# KiCad board P3.kicad_pcb (continued)
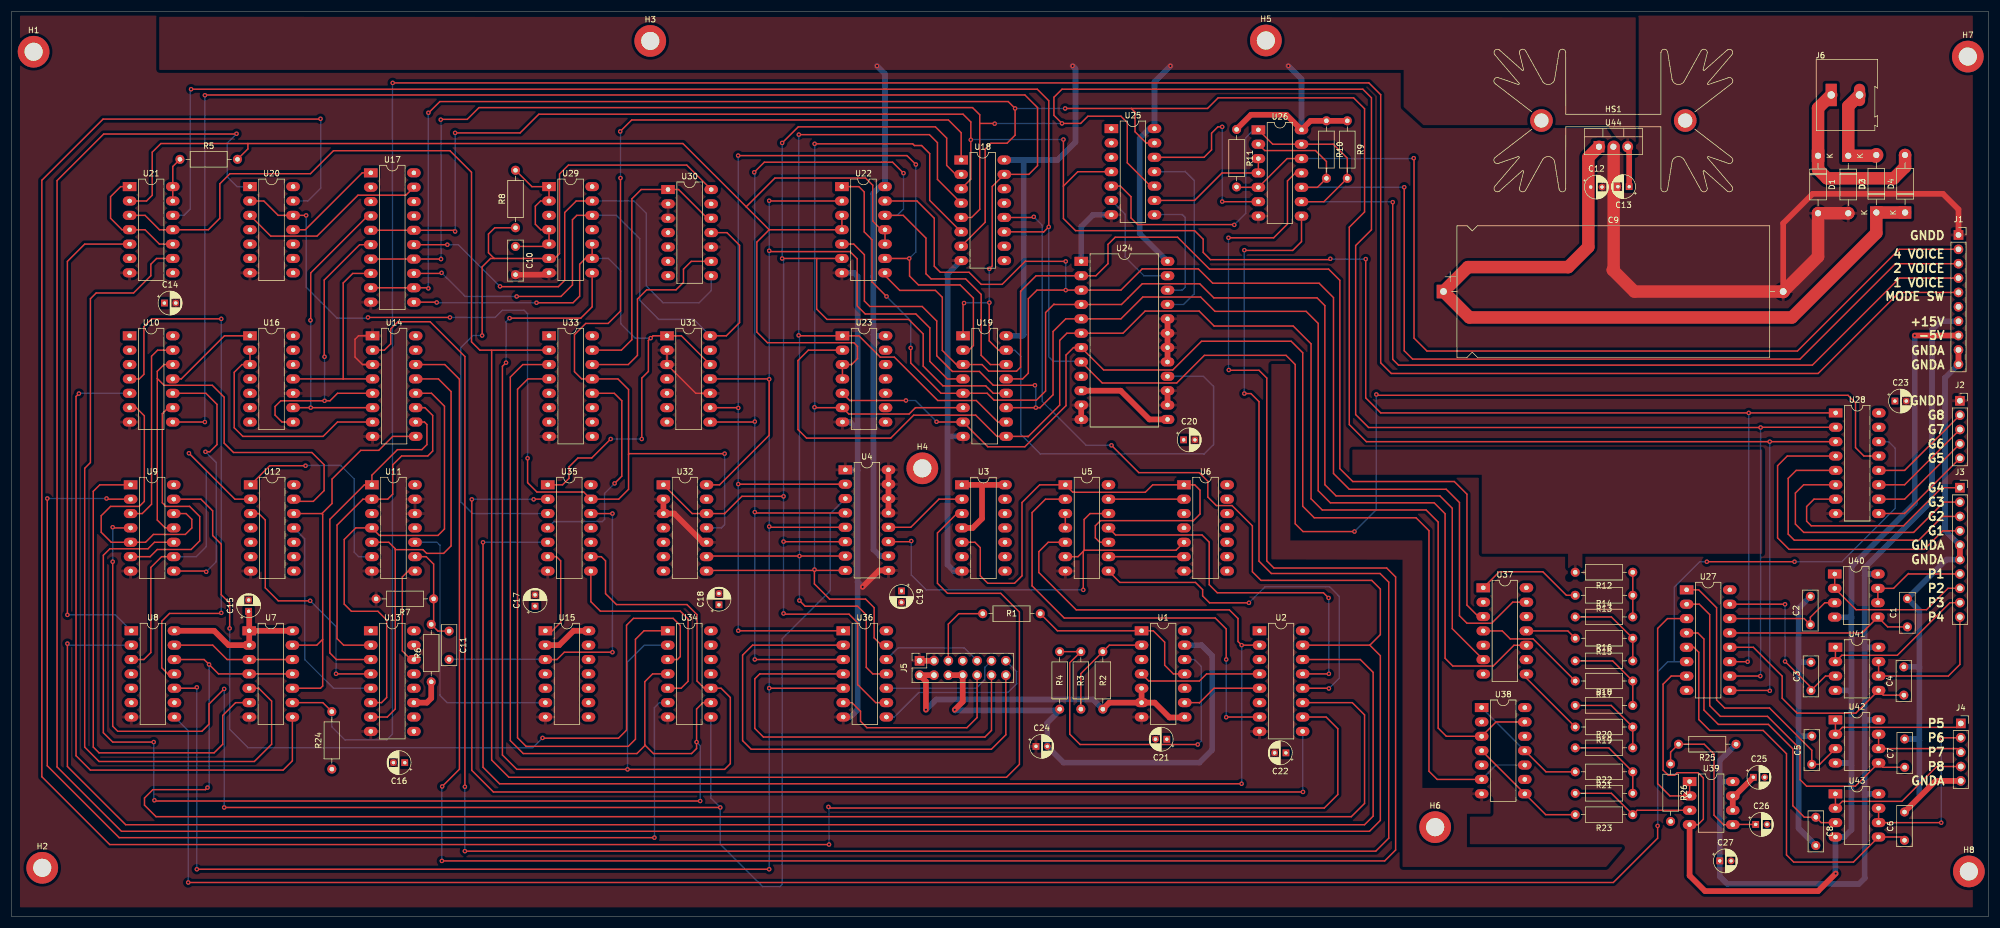
[diagram p0: board, top side]
## Routing (per net, layer and track width the routed paths; a pad name or vN(x,y) marks a point on that pad's centre or on a via; arc(x,y) is an arc through that point) (continued)
Net-(U16-CP1..3): length 16.8
  Top w0.25: U10.11 30.02,95.05 37.64,102.67 U16.1
Net-(U18-O5b): length 441.7
  Top w0.25: U24.8 192.68,94.34 205.84,94.34 210.72,99.21 225.15,99.21 226.77,97.59 226.77,69.44 228.14,68.07 v1(237.24,68.07) ; U28.13 327.22,81.42 325.73,82.91 325.73,90.83 324.41,92.15 241.25,92.15 v1(241.1,92.3) ; v1(31.75,146.25) 181.2,146.25 183.24,144.22 v1(183.24,121.92) 182.32,121.01 182.29,121.04 U18.11
  Bottom w0.25: v1(31.75,146.25) 31.6,146.1 31.6,125.07 30.48,123.96 U21.12 ; U24.8 188.98,98.09 188.93,98.15 184.05,98.15 183.24,98.96 v1(183.24,121.92) ; v1(237.24,68.07) 241.1,71.93 v1(241.1,92.3)
Net-(U18-OEb): length 345
  Top w0.25: v1(168.28,108.46) 168.1,108.28 U19.1 ; U10.8 34.19,87.43 v1(34.19,87.43) ; U19.15 174.37,100.13 172.72,101.78 172.72,108.51 v1(172.75,108.53) ; v1(34.19,145.19) 34.24,145.24 179.02,145.24 181.25,143 181.25,132.74 179.71,131.2 U18.15 173.25,129.07 173.25,115.01 v1(172.75,114.5)
  Bottom w0.25: U19.15 177.24,100.13 178.31,99.06 178.31,85.22 181.74,81.79 210.69,81.79 212.34,83.44 212.34,93.73 210.57,95.5 U24.16 ; v1(172.75,114.5) v1(172.75,108.53) 168.35,108.53 v1(168.28,108.46) ; v1(34.19,145.19) v1(34.19,87.43)
Net-(U21A-D): length 229.2
  Top w0.25: 129.79,125.48 133.86,121.41 ; 129.79,125.48 118.62,136.65 41.78,136.65 ; 129.79,125.48 134.87,130.56 150.88,130.56 152.15,129.29 152.15,122.94 153.66,121.42 U22.11 U22.10 ; 133.86,121.41 131.67,119.23 131.67,103.33 133.55,101.45 148.82,101.45 149.45,100.81 149.45,98.63 148.41,97.59 U23.3 U23.4 ; 133.86,121.41 133.86,121.42 U22.4 U22.3 ; 41.78,136.65 41.78,135.7 R5.2 ; 41.78,136.65 26.42,136.65 24.89,135.13 24.89,127.51 23.88,126.5 U21.2
Net-(U21A-Q): length 87.2
  Top w0.25: U21.5 12.96,118.88 9.91,115.82 v1(9.91,53.34)
  Bottom w0.25: U8.1 18.38,53.34 v1(9.91,53.34)
Net-(U21B-Q): length 146.2
  Top w0.25: U7.5 43.7,40.37 45.97,38.1 45.97,30.48 42.93,27.43 15.49,27.43 12.95,29.97 12.95,79.25 13.97,80.26 13.97,109.22 14.99,110.24 21.59,110.24 24.64,113.28 24.64,115.32 25.66,116.34 U21.9
Net-(U24-A0): length 19.9
  Bottom w0.25: U25.6 196.72,124.16 196.72,116.61 200.05,113.28 U24.23
Net-(U24-A1): length 21.3
  Bottom w0.25: U25.8 202.08,124.05 202.13,124.1 206.81,124.1 207.31,123.6 207.31,111.25 206.76,110.69 206.71,110.74 U24.22
Net-(U24-A2): length 33.2
  Bottom w0.25: U24.21 207.06,108.2 208.94,110.08 208.94,130.1 207.31,131.72 207.26,131.67 U25.11
Net-(U25-Pad9): length 22.9
  Top w0.25: U25.9 208.99,126.59 213.85,131.45 U26.4 U26.3
Net-(U25-Pad12): length 35.5
  Top w0.25: v1(213.87,126.39) 213.89,126.37 U26.6 ; U25.12 210.67,134.21 211.99,135.53 211.99,138.48 213.11,139.6 v1(213.87,139.6)
  Bottom w0.25: v1(213.87,126.39) v1(213.87,139.6)
Net-(U27-INH): length 400.3
  Top w0.25: v1(290.78,16.05) 290.78,13.87 282.96,6.05 v1(31.24,6.05) ; v1(299.47,62.74) v1(314.96,62.74)
  Bottom w0.25: 293.74,45.07 292.57,45.07 290.78,43.28 v1(290.78,16.05) ; 293.74,45.07 293.74,58.26 298.21,62.74 v1(299.47,62.74) ; 293.74,45.07 U27.6 ; v1(314.96,62.74) 323.31,62.74 332.74,72.16 332.74,82.8 331.59,83.96 U28.14 ; v1(31.24,6.05) 31.24,32.86 U8.8
Net-(U27-X0): length 33.3
  Top w0.25: U27.13 326.88,50.15 U40.5 331.4,51.22 C1.1
Net-(U27-X1): length 21.4
  Top w0.25: U27.14 316.67,52.69 C2.1 317.75,52.93 320.31,55.49 U40.3
Net-(U27-X2): length 32.3
  Top w0.25: U27.15 313.27,55.23 v1(313.28,55.22) ; v1(313.28,45.11) 317.86,40.54 C3.1 320.42,42.53 U41.3
  Bottom w0.25: v1(313.28,55.22) v1(313.28,45.11)
Net-(U27-X3): length 39.9
  Top w0.25: U27.12 307.69,47.61 312.78,42.52 312.78,38.61 315.42,35.97 325.78,35.97 U41.5 330.64,39.16 C4.1
Net-(U27-X4): length 51.2
  Top w0.25: U27.1 298.03,57.77 301.19,54.61 301.19,38.3 302.62,36.88 310.54,36.88 318.01,29.41 C5.1 319.4,26.92 U42.3
Net-(U27-X5): length 73.7
  Top w0.25: U27.5 297.17,47.61 298.04,46.74 298.04,34.85 299.97,32.92 309.42,32.92 313.54,28.8 313.54,10.92 314.81,9.65 325.37,9.65 U43.5 333.79,14.09 C6.1
Net-(U27-X6): length 66.5
  Top w0.25: U27.2 298.13,55.23 299.97,53.39 299.97,37.29 301.85,35.41 310.18,35.41 315.93,29.67 315.93,24.23 317.09,23.06 325.7,23.06 U42.5 330.57,26.41 C7.1
Net-(U27-X7): length 53.4
  Top w0.25: U43.3 319.67,16.63 C8.1 316.69,17.58 314.66,19.61 314.66,29.67 310.34,33.99 301.5,33.99 298.96,36.53 298.96,49.07 297.88,50.15 U27.4
Net-(U27-X): length 42.4
  Top w0.25: U39.1 U39.2 292.96,21.34 290.78,23.52 290.78,50.95 292.52,52.69 U27.3
Net-(U29-Pad8): length 225.1
  Top w0.25: U35.9 104.21,63.63 104.95,62.89 104.95,57.1 106.88,55.17 119.33,55.17 121.11,53.39 121.11,41.66 122.39,40.37 U34.10 125.36,40.37 127,38.74 127,27.05 125.98,26.03 v1(108.84,26.03) 89.28,26.03 86.74,28.58 86.74,97.28 v1(87.38,97.92) ; U29.8 102.59,107.8 100.58,105.79 v1(88.01,105.79)
  Bottom w0.25: v1(87.38,97.92) 87.38,105.16 v1(88.01,105.79) ; U34.2 111.8,47.99 108.84,45.03 v1(108.84,26.03)
Net-(U33-3): length 113.9
  Top w0.25: U33.4 91.24,95.05 89.41,93.22 89.41,31.62 90.93,30.1 108.97,30.1 110.24,31.37 110.24,49.02 111.75,50.53 U34.1
Net-(U33-A3): length 38.6
  Top w0.25: v1(106.55,76.58) 107.82,77.85 107.82,91.19 106.5,92.51 U33.12
  Bottom w0.25: v1(106.55,76.58) 104.78,74.8 104.78,70.23 104.38,69.84 95.87,69.84 U35.4
Net-(U34-Pad5): length 39
  Top w0.25: U34.5 118.3,40.37 119.53,41.61 119.53,52.63 118.16,54 104.04,54 102.36,55.68 U35.8
Net-(U39A-+): length 22.1
  Top w0.25: R22.1 282.61,21.81 R23.1 287.16,18.8 U39.3
Net-(U39B-+): length 30
  Top w0.25: R26.1 293.07,29.08 R25.2 299.01,30.48 300.74,28.75 300.74,17.93 302.4,16.26 U39.5 304.09,16.3 C26.1

## Copper pours and planes (outline as drawn; the poured copper is in the pictures)
+5V on Top: 286.92,158.95 286.92,134.62 284.28,134.62 284.28,136.5 281.94,139.9 249.43,139.9 245.92,143.1 245.92,149.66 26.11,149.66 26.11,159.05
+5V on Bottom: 288.29,114.3 240.03,114.3 240.03,30.48 1.27,30.48 1.27,157.48 288.29,157.48
GND on Top: 346.46,1.65 1.52,1.65 1.52,159.26 346.46,159.26
GNDA on Top: 225.91,66.5 249.22,66.5 249.22,22.76 261.26,22.76 261.26,18.19 257.1,18.19 257.1,12.29 284.63,12.29 281.69,8.79 245.72,8.79 245.72,63.09 222.55,63.14 222.55,97.69 225.91,97.69
GNDA on Top: 309.24,64.14 277.49,64.14 277.49,59.69 274.95,59.69 274.95,64.14 259.71,64.14 259.71,78.11 236.85,78.11 236.85,82.55 309.24,82.55

## Text on the board
F.Silkscreen: GNDD | 4 VOICE | 2 VOICE | 1 VOICE | MODE SW | +15V | -5V | GNDA | G8 | G7 | G6 | G5 | G4 | G3 | G2 | G1 | P1 | P2 | P3 | P4 | P5 | P6 | P7 | P8
